# KiCad board plinkyblack_hwmidi.kicad_pcb (continued)
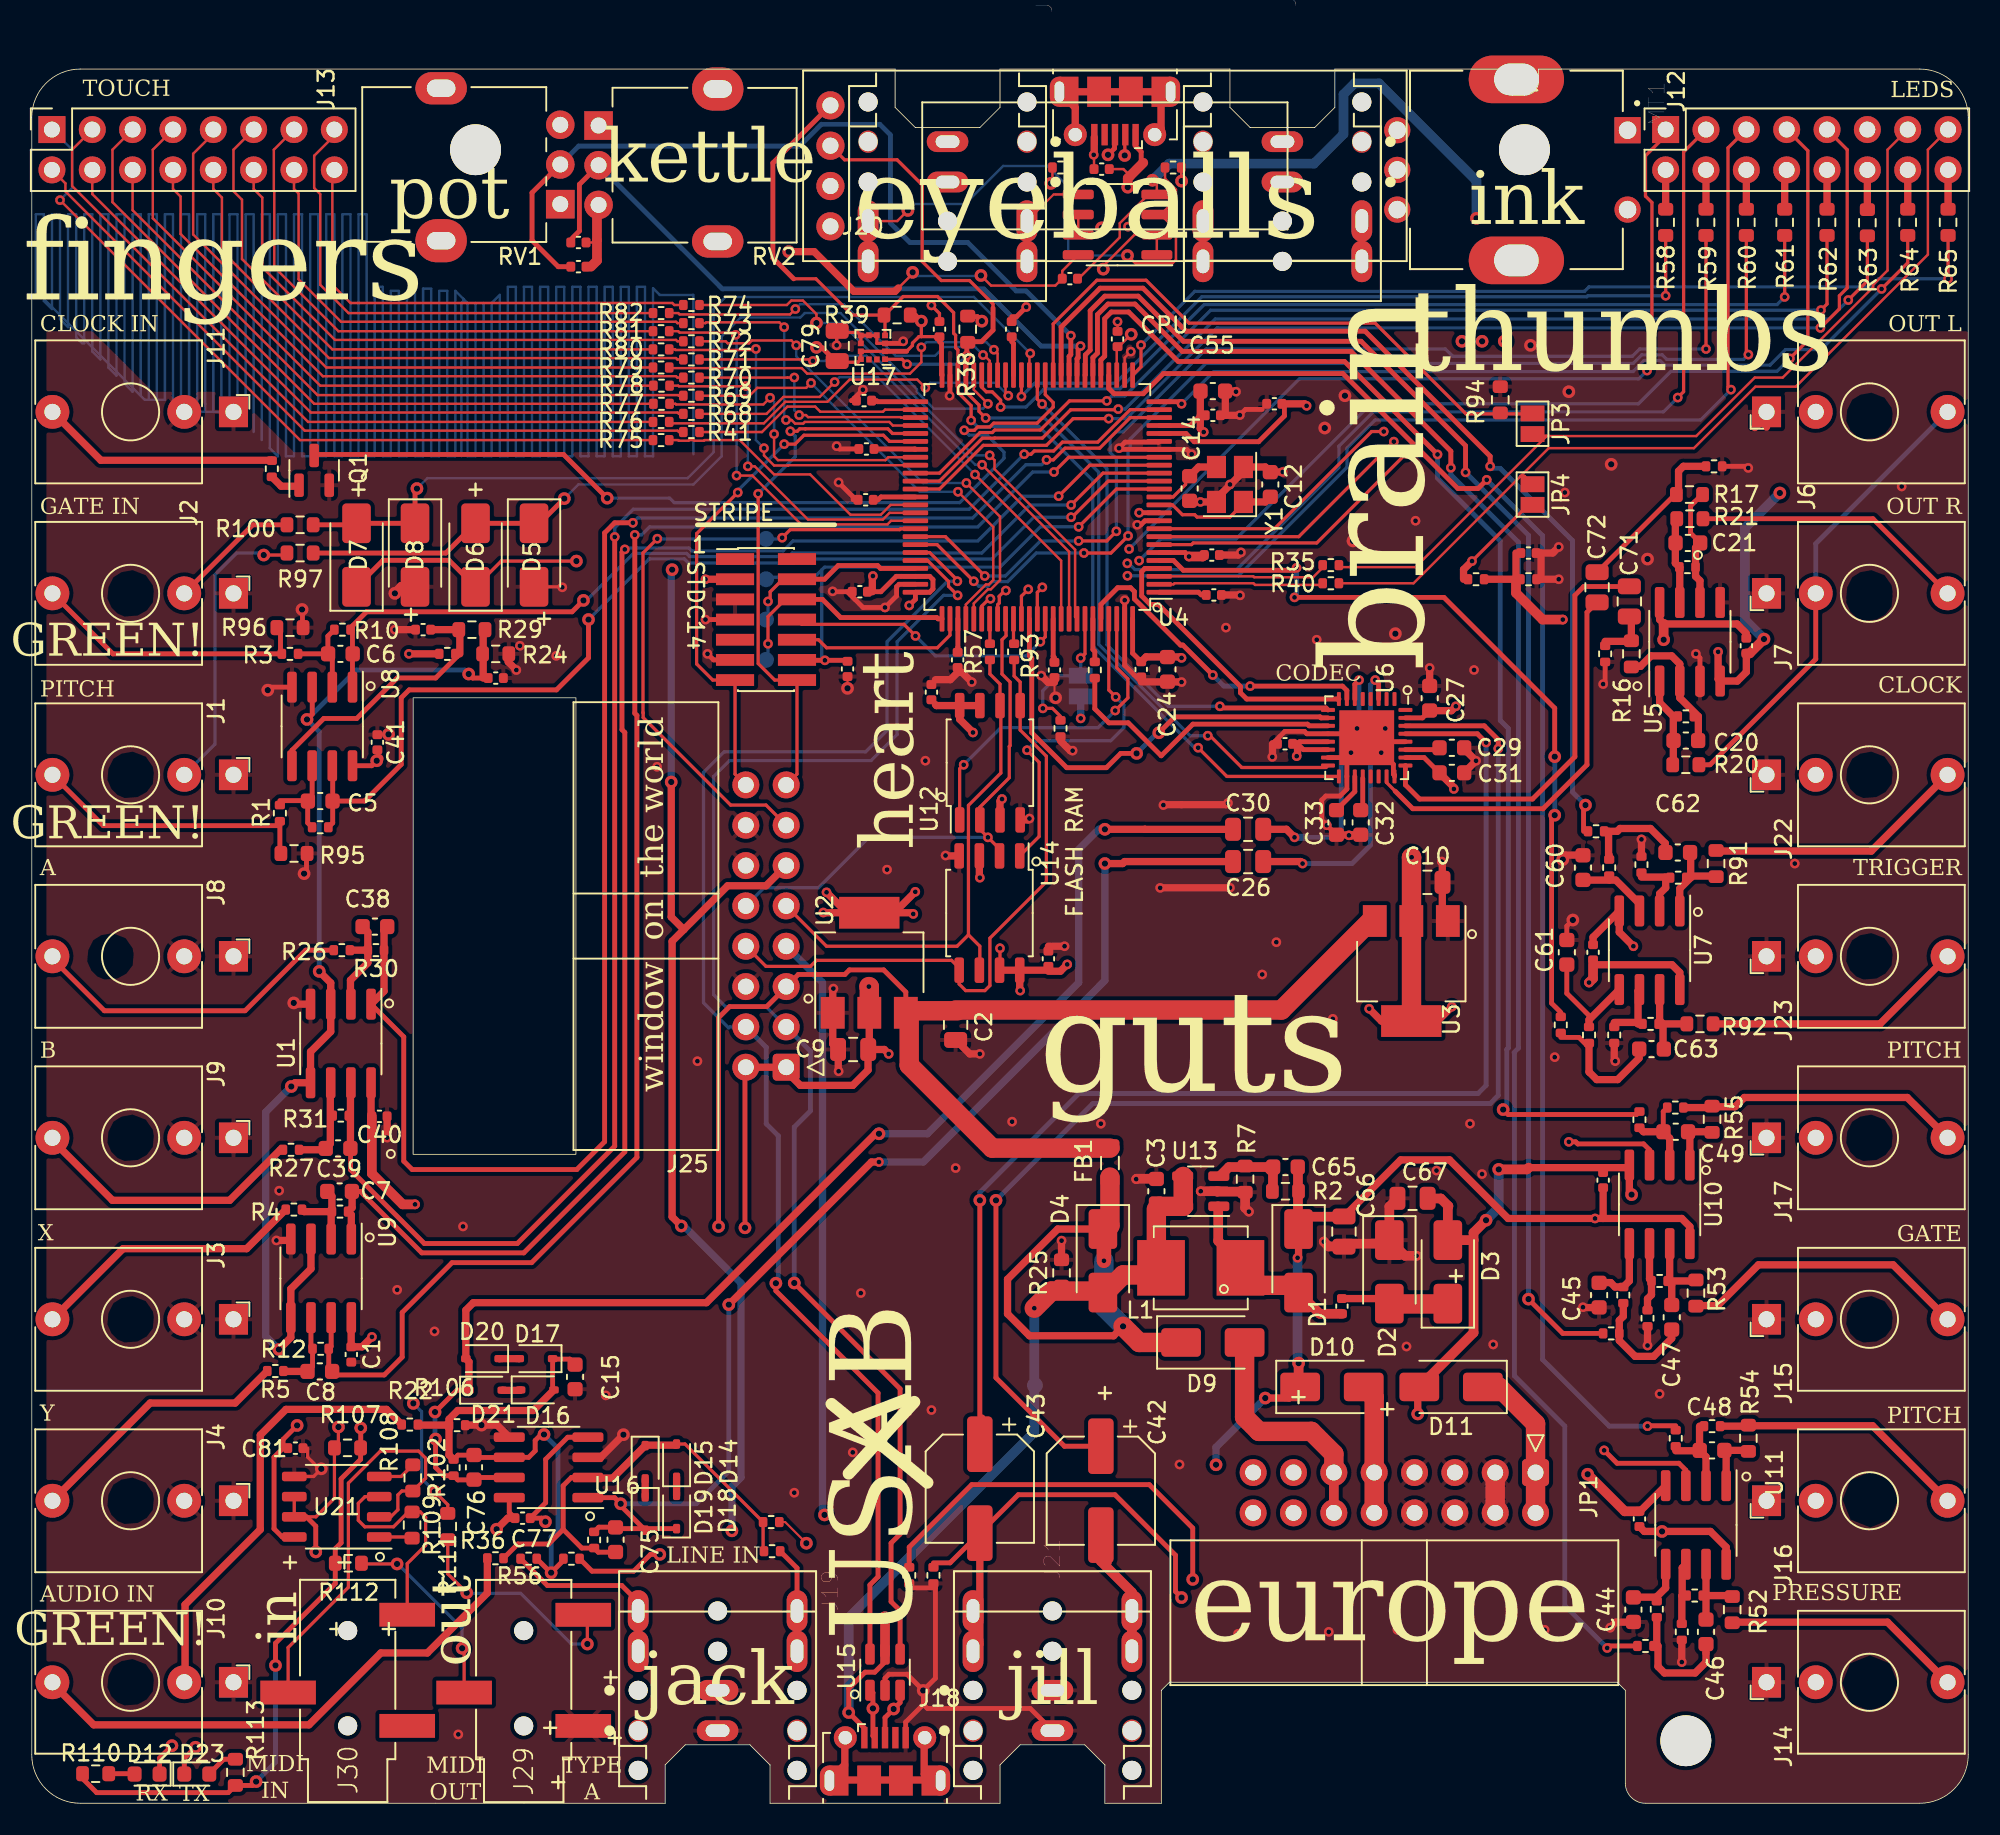
[diagram p0: board, top side]
## Routing (per net, layer and track width the routed paths; a pad name or vN(x,y) marks a point on that pad's centre or on a via; arc(x,y) is an arc through that point) (continued)
  Bottom w0.152: v1(61.48,88.65) 60.67,89.46 56.57,89.46 v1(56.26,89.15)
T11: length 19.4
  Top w0.152: 40.13,88.14 40.53,88.14 40.57,88.1 46.06,88.1 v1(46.48,88.52) ; v1(46.74,86.23) 46.74,84.84 46.98,84.59 53.74,84.59 53.93,84.77 U4.58
  Bottom w0.152: v1(46.74,86.23) 46.74,88.27 v1(46.48,88.52)
T12: length 22.1
  Top w0.152: v1(45.09,84.2) 45.52,84.2 48.87,80.85 53.58,80.85 54.01,81.27 U4.65 ; v1(44.96,89.26) 44.94,89.24 40.74,89.24 40.7,89.28 40.13,89.28
  Bottom w0.152: v1(45.09,84.2) 45.09,89.13 v1(44.96,89.26)
T13: length 23.9
  Top w0.152: v1(56.01,91.69) 56.01,90.75 55.29,90.04 48.82,90.04 48.47,90.38 40.15,90.38 40.11,90.42 ; v1(60.58,91.54) 60.81,91.31 U4.43
  Bottom w0.152: v1(60.58,91.54) 60.1,92.02 56.33,92.02 v1(56.01,91.69)
T14: length 22.2
  Top w0.152: U4.59 47.65,84.27 47.63,84.25 46.73,84.25 46.1,84.89 v1(46.1,85.34) ; 40.11,91.57 40.5,91.57 40.54,91.53 45.53,91.53 v1(45.59,91.59)
  Bottom w0.152: v1(45.59,91.59) 45.59,85.85 v1(46.1,85.34)
T15: length 25.8
  Top w0.152: 40.11,92.71 40.7,92.71 40.79,92.62 44.18,92.62 v1(44.32,92.48) ; v1(44.37,83.62) 45.37,83.62 48.44,80.54 53.87,80.54 54.1,80.77 U4.66
  Bottom w0.152: v1(44.32,92.48) 44.37,92.43 v1(44.37,83.62)
T16: length 23.3
  Top w0.152: 40.11,93.85 40.7,93.85 40.79,93.77 47.74,93.77 v1(48.08,94.11) ; U4.44 60.31,90.85 59.95,91.21 v1(59.89,91.21)
  Bottom w0.152: v1(48.08,94.11) 48.38,94.41 51.13,94.41 54.38,91.16 56.87,91.16 57.42,91.71 59.39,91.71 v1(59.89,91.21)
TS1: length 10.5
  Top w0.152: U4.2 71.88,76.77 71.95,76.84 76.91,76.84 77.02,76.73 81.43,76.73
TS1_: length 55.1
  Top w0.152: 82.27,76.84 87,76.84 95.5,85.34 104.65,85.34 108.52,89.22 111.06,89.22 119.38,97.54 119.38,104.14 J12.15
  Top w0.203: 94.49,83.06 93.98,83.57 93.73,83.57
TS2: length 10.6
  Top w0.152: 81.3,77.85 80.67,77.22 76.96,77.22 76.91,77.27 U4.3
TS2_: length 52.7
  Top w0.152: J12.13 116.84,104.14 116.84,96.54 115.93,95.63 115.93,95.48 110.24,89.79 108.48,89.79 104.79,86.11 95.38,86.11 87.12,77.85 82.27,77.85
  Top w0.203: 95.38,86.11 94.62,86.11 JP3.2
TX: length 120
  Top w0.203: v1(45.74,82.47) 45.74,71.78 46.77,70.74 J5.14 48.18,64.81 J25.15 ; R111.2 26.19,18.81 v2(25.37,19.62) ; U4.55 54.19,86.27 53.9,86.56 48.71,86.56 48.35,86.56 48.19,86.41 v1(47.76,86.41)
  Top w0.305: v2(10.31,3.53) 9.6,2.82 D23.1
  In1.Cu w0.203: J25.15 46.31,62.95 43.12,62.95 39.6,59.44 39.6,40.76 v2(24.02,25.18)
  In1.Cu w0.305: v2(25.37,19.62) 25.37,14.97 25.37,14.96 25.37,12.11 16.86,3.6 10.38,3.6 v2(10.31,3.53)
  Bottom w0.203: v1(47.76,86.41) 48.06,86.1 48.06,84.8 v1(45.74,82.47) ; v2(24.02,25.18) 24.54,24.66 24.54,20.45 v2(25.37,19.62)
VREF: length 131.3
  Top w0.203: 94.74,81.52 93.97,81.52 v1(90.68,78.23)
  Top w0.305: 79.02,88.14 78.87,87.99 78.87,87.38 77.24,85.75 73.18,85.75 72.66,86.27 U4.21
  Top w0.457: v1(90.68,78.23) 90.14,77.7 90.14,77.09 ; v1(80.26,88.01) 80.14,88.14 79.02,88.14 ; v1(23.75,72.39) 25.37,72.39
  In1.Cu w0.457: v1(69.02,99.3) 69.02,99.25 v1(80.26,88.01)
  In2.Cu w0.457: v1(69.02,99.3) 64.94,103.38 56.01,103.38 53.66,105.73 52.25,105.73 52.19,105.66 RV2.1
  In2.Cu w0.61: v1(80.26,88.01) 81.41,88.01 90.68,78.74 v1(90.68,78.23) ; v1(23.75,72.39) 29.46,78.11 29.46,96.9 RV1.1 31.37,102.62 31.37,106.68 32.51,107.82 34.42,107.82 35.69,106.55 RV2.1
VREF1: length 68.5
  Top w0.305: U8.3 17.66,70.29 17.66,68.59 v2(17.33,68.26) ; 28.42,70.87 27.76,70.87 v2(27.51,71.12)
  Top w0.457: v2(16.34,45.14) 16.58,45.38 U1.5 17.55,47.33 18.82,48.6 U1.3 18.82,51.67 v2(18.1,52.39) ; 28.42,70.87 28.42,73.84 28.5,73.91 ; U9.3 17.58,33.66 16.31,32.39 U9.5 16.31,29.33 v2(15.56,28.58)
  Bottom w0.305: v2(27.51,71.12) 27.26,71.37 20.44,71.37 v2(17.33,68.26) 18.1,67.49 v2(18.1,52.39)
  Bottom w0.457: v2(16.34,45.14) 14.73,43.53 14.73,29.41 v2(15.56,28.58)
VREF125: length 17.1
  Top w0.305: 16.38,65.34 16.38,66.32 18.38,68.32 20.46,68.32 23.01,70.87 25.43,70.87 26.95,72.39
  Top w0.457: 25.43,73.91 26.92,73.91 26.95,73.89 26.95,72.39
VREF_125_OUT: length 75.1
  Top w0.305: U10.3 101.85,41.15 101.48,41.52 97.34,41.52 97.21,41.66 v1(96.77,41.66) ; v1(99,22.23) 99.81,21.41 103.7,21.41 104.14,20.98 U11.3
  Top w0.457: 93.45,78.74 93.45,77.09 91.72,77.09
  Top w0.61: v1(96.39,74.55) 95.12,74.55 93.45,76.23 93.45,77.09
  In2.Cu w0.457: v1(99,22.23) 96.77,24.45 v1(96.77,41.66)
  In2.Cu w0.61: v1(96.39,74.55) 96.77,74.17 96.77,60.45 97.25,59.98 97.25,57.12 96.17,56.04 96.17,51.91 96.77,51.31 v1(96.77,41.66)
Net-(C20-Pad1): length 5.6
  Top w0.457: 103.35,65.41 103.35,68.45 102.49,69.32 U5.1
Net-(C21-Pad1): length 5.4
  Top w0.457: 103.61,80.9 103.48,80.77 103.48,78.1 103.76,77.82 U5.7
Net-(C42-Pad2): length 198.7
  Top w0.305: 55.24,15.14 55.24,16.13 59.18,20.07 70.36,20.07 73.09,17.33 v2(73.09,14.1) ; 67.63,14.92 67.84,15.14 ; J21.2 J21.2
  Top w0.61: C42.2 67.31,15.24 69.26,13.29 J21.2
  In2.Cu w0.305: J27.2 73.74,98.99 78.22,94.51 95.87,94.51 110.96,79.42 113.05,79.42 116.46,76.01 116.46,17.53 113.03,14.1 v2(73.09,14.1) 72.11,14.1 69.26,11.25 J21.2
Net-(C43-Pad2): length 182.6
  Top w0.305: v2(72.39,12.95) 72.01,13.34 72.01,15.62 68.2,19.43 62.11,19.43 C43.2 57.82,15.14 56.77,15.14 ; J21.3 J21.3
  Top w0.457: J21.3 59.69,10 C43.2
  In1.Cu w0.61: J27.3 J27.3
  In2.Cu w0.305: v2(72.39,12.95) 113.03,12.95 117.09,17.02 117.09,76 113.18,79.92 111.11,79.92 95.91,95.12 88.27,95.12 J27.3
Net-(C46-Pad1): length 7.4
  Top w0.457: 102.31,11.43 102.31,9.98 102.39,9.91 102.39,8.61 102.79,8.2 104.72,8.2 105.41,8.89 105.41,10.01
Net-(C46-Pad2): length 5.1
  Top w0.457: 105.49,13.08 105.41,13 105.41,11.58 ; 105.49,13.08 106.96,13.08 107.06,12.98 ; 105.49,13.08 105.41,13.16 U11.7
Net-(C47-Pad1): length 7.2
  Top w0.457: R46.2 100.2,30.66 99.95,30.41 R43.1 99.95,29.14 100.95,28.14 102.11,28.14 103.25,29.28 103.25,29.82
Net-(C47-Pad2): length 5.8
  Top w0.457: 103.25,31.39 103.25,32.64 R47.2 ; R47.2 104.75,32.89 ; R47.2 103.12,33.02 U10.7
Net-(C48-Pad1): length 3.8
  Top w0.457: 108.08,22.2 108.05,22.23 106.58,22.23 106.68,22.12 U11.1
Net-(C49-Pad1): length 3.6
  Top w0.457: U10.1 104.39,42.19 104.29,42.29 105.79,42.29
Net-(C62-Pad1): length 6.1
  Top w0.457: 102.84,59.88 102.84,60.46 101.91,61.39 100,61.39 99.82,61.21 99.28,61.21 99.28,59.75 99.31,59.72
Net-(C62-Pad2): length 5.6
  Top w0.457: 106.05,58.39 104.55,58.39 104.45,58.29 ; 104.45,58.29 104.45,59.85 104.42,59.88 ; 104.45,58.29 103.76,57.61 U7.1
Net-(C63-Pad1): length 8.1
  Top w0.305: 98.04,47.6 97.41,48.23 96.27,48.23
  Top w0.457: 98.04,47.6 98.04,46.06 98.53,45.58 99.85,45.58 101.19,46.92 101.19,47.5
Net-(C63-Pad2): length 5.4
  Top w0.457: 102.77,47.5 102.71,47.56 102.71,49.09 ; 102.71,49.09 104.24,49.09 ; 102.71,49.09 102.49,49.3 U7.7
Net-(C71-Pad1): length 3.3
  Top w0.457: 99.06,73.18 100.71,73.18 100.71,74.63 100.58,74.75
Net-(C72-Pad1): length 10.2
  Top w0.305: 98.55,77.52 103.46,82.42 103.58,82.42
  Top w0.457: 103.58,82.42 103.68,82.52 103.68,83.9 103.98,84.2 105.13,84.2
Net-(D1-A): length 11.8
  Top w0.61: 74.7,37.59 74.7,35.41 76.14,33.97 ; D1.2 81.09,30.83 C4.2
  Top w1.219: L1.2 77.2,32.62 79.3,32.62 D1.2
Net-(D2-A): length 7.2
  Top w0.305: 85.18,31.75 D2.2
  Top w0.457: C4.1 85.15,31.79 D2.2
  Top w1.219: 85.49,31.45 89.2,31.45
Net-(D4-K): length 31.7
  Top w0.457: D4.1 64.59,36.16 61.43,33 61.43,30.82 62.81,29.44 68.11,29.44 v2(68.71,30.04)
  Top w0.914: v1(67.5,34.16) 67.5,36.01
  Top w1.219: v2(68.71,30.04) 69.72,29.02 D9.1 ; 67.5,36.01 67.88,36.39 67.88,39.43
  Bottom w1.219: v1(67.5,34.16) 67.5,31.24 v2(68.71,30.04)
Net-(D9-A): length 15
  Top w0.61: JP1.12 JP1.11
  Top w1.219: JP1.11 81.98,22 80.56,23.42 77.26,23.42 76.36,24.32 D9.2
Net-(D10-A): length 8.2
  Top w1.219: JP1.10 84.52,25.56 D10.2
Net-(D11-K): length 9.9
  Top w1.219: D11.1 92.36,26.22 94.68,23.9 JP1.1 JP1.2
Net-(D12-A): length 1.6
  Top w0.305: R110.1 6.45,1.86 D12.2
Net-(D14-A): length 28.7
  Top w0.203: D14.2 41.13,22.62 R6.1 46.04,15.93 R37.1
  Top w0.305: 33.46,17.24 34.63,16.07 R101.2 35.67,15.81 36.75,15.81 ; 33.46,17.24 32.54,16.33 30.6,16.33 R36.1 ; 33.46,17.24 33.46,20 33.97,20.52 U16.2
  Top w0.457: D14.2 40.53,22.55 38.65,22.55 D15.1 36.58,20.48 35.05,20.48 U16.2
Net-(D14-K): length 1.1
  Top w0.457: D14.1 D18.2
Net-(D15-A): length 1.1
  Top w0.457: D15.2 D19.1
Net-(D16-A): length 34.1
  Top w0.305: R23.1 33.47,15.29 v2(32.7,14.52) 32.67,14.52 R56.1 ; D16.2 32.79,26.11 D17.1 32.82,27.97 33.87,27.97 34.21,27.64 ; R102.2 26.83,21.93 27.82,21.93 27.84,21.95 28.01,21.78 30.06,21.78 U16.6 31.29,21.79 31.69,22.19 31.69,22.85 32.07,23.22 v2(32.25,23.22)
  Top w0.457: R102.2 26.56,21.65 26.27,21.94 R106.2 ; R22.1 24.35,23.81 26.28,23.81 26.28,24.19 26.82,24.74 31.58,24.74 D16.2
  Bottom w0.305: v2(32.25,23.22) 33.13,22.34 33.13,17.21 32.7,16.78 v2(32.7,14.52)
Net-(D16-K): length 1.2
  Top w0.457: D16.1 30.75,26 29.64,26 D20.2
Net-(D17-A): length 1.3
  Top w0.457: D21.1 D17.2
Net-(D18-K): length 75.7
  Top w0.305: D18.1 36.85,17.3 36.75,17.39 35.7,17.39 R101.1 ; D19.2 37.08,18.74 v2(37.08,18.86) 36.7,19.25 U16.1
  Top w0.457: v2(43.88,31.4) 52.87,40.39 v1(53.34,40.39) ; 75.64,59.31 68.81,59.31 68.68,59.18 v2(67.56,59.18)
  Bottom w0.305: v2(37.08,18.86) 41.84,18.86 43.88,20.91 v2(43.88,31.4)
  Bottom w0.457: v1(53.34,40.39) 56.13,40.39 67.56,51.82 v2(67.56,59.18)
Net-(D20-K): length 82.1
  Top w0.305: v2(25.39,24.64) 26.77,26.02 D20.1 ; v2(25.42,22.94) 25.42,21.15 25.94,20.63 R102.1 26.82,20.36 27.84,20.36 27.99,20.52 U16.7
  Top w0.457: D20.1 27.53,27.8 D21.2 27.33,31.05 27.8,31.53 42.48,31.53 53.11,42.16 v2(53.34,42.16) ; 75.57,61.34 75.56,61.33 70.08,61.33 70.08,61.34 v2(67.56,61.34)
  Bottom w0.305: v2(25.39,24.64) 25.39,22.97 v2(25.42,22.94)
  Bottom w0.457: v2(67.56,61.34) 67.18,61.34 65.91,60.07 65.91,51.69 56.39,42.16 v2(53.34,42.16)
Net-(D23-A): length 2
  Top w0.305: R113.1 12.09,2.77 11.18,1.86 D23.2
Net-(J1-PadT): length 17.4
  Top w0.305: 15.72,59.82 15.62,59.92 15.62,61.57 4.5,61.57 J1.T
Net-(J1-PadTN): length 18.6
  Top w0.203: 16.1,78.74 15.98,78.61 v2(14.6,78.61)
  Bottom w0.203: J1.TN 11.53,66.7 11.53,77.37 12.9,78.74 14.48,78.74 v2(14.6,78.61)
Net-(J2-PadT): length 17.7
  Top w0.305: J2.T 5.11,72.39 15.66,72.39 15.66,73.85 15.47,74.04
Net-(J2-PadTN): length 8.3
  Top w0.305: J2.TN 13.92,80.52 16.1,80.52
Net-(J3-PadT): length 17.6
  Top w0.457: R4.2 13.53,34.93 5.75,34.93 J3.T
Net-(J4-PadT): length 16.9
  Top w0.457: J4.T 7.46,25.21 12.81,25.21 R5.2
Net-(J6-PadT): length 29.2
  Top w0.305: 104.93,65.41 105.66,65.41 112.32,72.06 J7.TN
  Bottom w0.305: J7.TN 112.32,79.33 J6.T
Net-(J7-PadT): length 17.4
  Top w0.305: 105.18,80.9 115.92,80.9 J7.T
Net-(J8-PadT): length 20.8
  Top w0.305: R26.2 17.25,53.73 13.43,49.91 4.57,49.91 1.3,53.18 J8.T
Net-(J9-PadT): length 17.6
  Top w0.457: R27.2 15.64,41.16 12.46,37.97 5.08,37.97 1.3,41.75 J9.T
Net-(J10-PadT): length 34.2
  Top w0.457: R36.2 28.68,13.24 24.91,9.47 21.98,9.47 17.45,4.94 3.9,4.94 1.3,7.54 J10.T
Net-(J10-PadTN): length 27.5
  Top w0.457: 9.65,7.62 9.65,12.51 14.39,17.24 14.39,23.19 16.01,24.81 22.33,24.81 R22.2
Net-(J11-PadT): length 15.1
  Top w0.457: J11.T 4.35,84.58 15.09,84.58 R8.2
Net-(J12-Pin_2): length 2.5
  Top w0.457: 102.87,100.36 J12.2
Net-(J12-Pin_4): length 2.5
  Top w0.457: 105.41,100.36 J12.4
Net-(J12-Pin_6): length 2.5
  Top w0.457: 107.95,100.36 J12.6
Net-(J12-Pin_8): length 2.6
  Top w0.457: J12.8 110.36,102.74 110.36,100.36
Net-(J12-Pin_10): length 2.5
  Top w0.457: 113.03,100.36 J12.10
Net-(J12-Pin_12): length 2.5
  Top w0.457: 115.57,100.33 J12.12
Net-(J12-Pin_14): length 2.5
  Top w0.457: 118.11,100.36 J12.14
Net-(J12-Pin_16): length 2.5
  Top w0.457: 120.65,100.36 J12.16
Net-(J13-Pin_1): length 48.9
  Top w0.152: 39.14,85.85 16.89,85.85 v1(1.78,100.97)
  Bottom w0.152: v1(1.78,100.97) 2.54,101.73 2.54,104.14 J13.1
Net-(J13-Pin_2): length 46.9
  Top w0.152: J13.2 2.12,102.02 2.12,101.51 17.19,86.45 40.66,86.45 40.75,86.36 41.04,86.36
Net-(J13-Pin_3): length 46.8
  Top w0.152: 39.14,87 17.4,87 2.54,101.85 2.54,104.14 J13.3
Net-(J13-Pin_4): length 44.5
  Top w0.152: J13.4 3.81,101.35 17.57,87.59 40.66,87.59 40.75,87.5 41.04,87.5
Net-(J13-Pin_5): length 44.4
  Top w0.152: 39.16,88.14 17.78,88.14 5.08,100.84 5.08,104.14 J13.5
Net-(J13-Pin_6): length 42.1
  Top w0.152: 41.04,88.65 40.75,88.65 40.71,88.69 17.99,88.69 6.35,100.33 J13.6
Net-(J13-Pin_7): length 42
  Top w0.152: J13.7 7.62,104.14 7.62,99.82 18.16,89.28 39.16,89.28
Net-(J13-Pin_8): length 39.7
  Top w0.152: J13.8 8.89,101.67 9.37,101.19 9.37,98.84 18.33,89.88 40.56,89.88 40.65,89.79 41.04,89.79
Net-(J13-Pin_9): length 39.6
  Top w0.152: J13.9 11.43,105.16 10.16,103.89 10.16,98.81 18.54,90.42 39.14,90.42
Net-(J13-Pin_10): length 37.2
  Top w0.152: J13.10 11.43,101.67 11.97,101.13 11.97,97.76 18.71,91.02 40.56,91.02 40.65,90.93 41.04,90.93
Net-(J13-Pin_11): length 37.2
  Top w0.152: 39.14,91.57 18.92,91.57 13.24,97.25 13.24,100.99 12.7,101.53 12.7,104.14 J13.11
Net-(J13-Pin_12): length 34.8
  Top w0.152: J13.12 13.97,101.67 14.51,101.13 14.51,96.74 19.09,92.16 40.56,92.16 40.65,92.08 41.04,92.08
Net-(J13-Pin_13): length 34.7
  Top w0.152: 39.14,92.71 19.3,92.71 15.27,96.75 15.27,101.5 15.24,101.53 15.24,104.14 J13.13
Net-(J13-Pin_14): length 32.4
  Top w0.152: J13.14 16.51,101.67 16.8,101.38 16.8,95.98 19.47,93.3 40.56,93.3 40.65,93.22 41.04,93.22
Net-(J13-Pin_15): length 32.2
  Top w0.152: 39.14,93.85 19.94,93.85 18.16,95.63 18.16,101.35 17.78,101.73 17.78,103.76 19.05,105.03 J13.15
Net-(J13-Pin_16): length 29.9
  Top w0.152: 41.04,94.36 40.45,94.36 40.33,94.49 20.07,94.49 18.92,95.63 18.92,102.74 J13.16
Net-(J14-PadT): length 15.1
  Top w0.457: J14.T 116.84,11.4 107.06,11.4
Net-(J15-PadT): length 18.3
  Top w0.457: J15.T 117.19,33.91 108.71,33.91 106.15,31.34 104.78,31.34
Net-(J16-PadT): length 16
  Top w0.457: J16.T 115.9,23.77 108.08,23.77 108.05,23.75 106.58,23.75
Net-(J17-PadT): length 17.9
  Top w0.457: J17.T 118.08,44.45 107.82,44.45 107.24,43.87 105.79,43.87 105.74,43.81 R51.1
Net-(J19-Pad2): length 6.7
  Top w0.305: J19.2 J19.2 48.18,14.81 47.12,15.88
Net-(J19-Pad3): length 10.7
  Top w0.305: J19.3 38.18,12.68 37.15,13.71 32.46,13.71 R56.2
  In2.Cu w0.305: 38.18,11.18 J19.3
Net-(J22-PadT): length 16.6
  Top w0.457: J22.T 115.82,59.97 106.05,59.97
Net-(J23-PadT): length 16.6
  Top w0.457: J23.T 116.37,49.09 105.82,49.09
Net-(J30-RING): length 26.4
  Top w0.203: U21.2 22.6,18.04 23.05,18.48 23.05,19.41 23.3,19.66 R108.1 24.8,20.47 24.8,21.73 24.35,22.18 21.95,22.18 19.93,20.16 19.93,13.6 16.14,9.81 J30.3
Net-(J30-TIP): length 14.1
  Top w0.203: U21.3 20.98,19.31 20.56,18.89 20.56,17.82 20.97,17.41 22.77,17.41 23.71,18.35 R109.1 24.46,18.35 24.8,18.01 24.8,16.25 23.64,15.09 J30.2
Net-(JP2-B): length 9.2
  Top w0.203: 64.77,68.45 64.27,68.96 v1(63.66,68.96) ; v1(66.04,72.12) 66.31,72.39 U4.94
  Bottom w0.203: v1(63.66,68.96) 63.66,70.07 64.59,71.01 JP2.2 66.04,72.39
Net-(JP3-A): length 38.2
  Top w0.203: U4.36 64.31,93.17 67.06,95.92 70.16,95.92 72.86,93.22 84.58,93.22 90.3,87.5 94.62,87.5
Net-(Q1-B): length 2
  Top w0.457: 16.83,82.95 15.7,82.95 R8.1
Net-(U1A--): length 6.6
  Top w0.457: R30.2 20.03,53.73 R26.1 ; 20.82,55.21 21.16,54.87 21.16,52.93 20.07,51.84 20.07,50.35 U1.2
Net-(U1B--): length 6
  Top w0.457: R27.1 18.41,41.16 18.8,41.54 18.8,45.35 U1.6
Net-(U4-PB4): length 2.9
  Top w0.305: C56.2 64.31,71.93 64.31,72.24 ; 64.31,72.24 U4.90 ; 64.31,72.24 64.39,72.16
Net-(U4-PB8): length 2.8
  Top w0.305: U4.95 66.81,72.66 66.93,72.54 R34.1
Net-(U4-PB12): length 2.5
  Top w0.305: U4.51 53.26,88.27 53.19,88.34
Net-(U4-PC6): length 2.4
  Top w0.305: U4.63 53.47,82.27 53.29,82.09
Net-(U4-PC10): length 1.8
  Top w0.305: 58.29,72.8 58.31,72.81 U4.78
Net-(U4-PD1): length 1.5
  Top w0.203: 60.32,73 60.32,74.55
Net-(U4-PD4): length 1.7
  Top w0.203: U4.85 61.81,72.94
Net-(U4-PD10): length 2.3
  Top w0.305: U4.57 55.61,85.29 53.34,85.29
Net-(U4-PE2): length 2.7
  Top w0.305: U4.1 73.46,76.27 73.63,76.1
Net-(U4-PE10): length 2.2
  Top w0.305: U4.41 61.81,91.94 61.7,92.05
Net-(U4-PH0): length 7.9
  Top w0.203: U4.12 71.82,81.77 72.44,81.15 73.22,81.15 73.37,81 75.43,81 76.29,81.86 Y1.1
  Top w0.457: 77.98,82.27 77.67,81.96 Y1.1
Net-(U4-PH1): length 4.5
  Top w0.203: 72.9,83.59 72.64,83.34 72.64,83.06 71.86,82.27 U4.13
  Top w0.457: Y1.3 73.46,84.16 72.9,83.59
Net-(U5A--): length 8.8
  Top w0.457: 104.93,66.93 104.93,68.45 103.76,69.62 U5.2 103.76,71.75 103.25,72.26 101.95,72.26 101.29,71.6 100.71,71.6
Net-(U5B--): length 7.6
  Top w0.305: 105.16,82.42 104.44,81.71 104.44,79.99 105.05,79.38
  Top w0.457: U5.6 105.03,77 104.75,77.27 104.75,79.07 105.05,79.38
Net-(U6-HP_COM): length 2.6
  Top w0.305: 82.14,62.56 83.3,63.72 U6.19
Net-(U6-LINE_COM): length 2
  Top w0.305: 83.8,64.54 83.8,62.69 83.67,62.56
Net-(U6-VMID): length 2.2
  Top w0.305: U6.27 88.51,66.36 88.62,66.47
Net-(U7A-+): length 4.6
  Top w0.457: 101.22,56.2 101.22,56.65 99.73,58.14 97.66,58.14
Net-(U7A--): length 3.8
  Top w0.457: U7.2 102.49,57.28 102.87,57.66 102.87,58.29 102.83,58.33 101.35,58.33
Net-(U7B-+): length 7.1
  Top w0.305: 98.04,49.17 98.04,49.61 96.65,51.01 96.65,52.81
  Top w0.457: U7.5 98.04,49.34 98.04,49.17
Net-(U7B--): length 3.7
  Top w0.457: 99.63,49.17 101.04,49.17 101.13,49.09 101.13,51.16 101.22,51.25
Net-(U8A--): length 5.5
  Top w0.305: 17.04,72.39 18.64,72.39 ; 18.64,72.39 18.64,73.51 R10.2 ; 18.64,72.39 18.92,72.11 U8.2
Net-(U8B--): length 5.9
  Top w0.305: 15.62,63.14 17.35,63.14 17.37,63.12 ; 17.37,63.12 17.65,63.4 U8.6 ; 17.37,63.12 17.37,61.75 R9.2
Net-(U9A--): length 5.1
  Top w0.457: U9.2 18.85,37.21 R11.2 ; R11.2 18.9,38.23 18.59,38.53 ; R11.2 17.14,37.26 R4.1
Net-(U9B--): length 5.1
  Top w0.305: U9.6 17.58,28.72 R12.2 17.68,27.53 17.35,27.2
  Top w0.457: 17.35,27.2 15.87,27.2 R5.1
Net-(U10A--): length 5.5
  Top w0.305: 102.72,42.29 102.72,43.56 R51.2
  Top w0.457: R49.1 101.47,42.29 102.72,42.29 103.12,41.88 U10.2
Net-(U10B-+): length 4.5
  Top w0.457: U10.5 100.58,32.9 R46.1 99.68,32.51 99.41,32.79 98.68,32.79
Net-(U10B--): length 4.3
  Top w0.457: R67.2 101.73,31.77 101.98,32.02 R47.1 101.85,33.02 U10.6
Net-(U11A--): length 5.4
  Top w0.457: 105,23.75 105,22.23 ; 105,22.23 105.41,21.82 U11.2 ; 105,22.23 104.98,22.2 103.51,22.2
Net-(U11B-+): length 3.8
  Top w0.457: 100.84,12.98 102.29,12.98 102.87,13.56 U11.5
Net-(U11B--): length 3.6
  Top w0.457: U11.6 103.91,14.82 103.91,13.08 103.89,13.06 103.89,11.58
Net-(U13-FB): length 4.8
  Top w0.61: 74.87,39.56 75.38,40.07 77.79,40.07 78.14,39.71 78.14,38.55
Net-(U18A-+): length 33
  Top w0.152: v2(68.99,97.48) 69.48,96.99 71.82,96.99 72.04,97.21 72.04,99.09 71.08,100.06 ; 70.84,100.06 71.08,100.06 ; 71.08,100.06 72.04,101.02 72.04,101.63 71.35,102.32 R103.1 ; v2(55.16,100.32) 54.49,99.65 J26.2
  Bottom w0.152: v2(55.16,100.32) 55.56,100.72 58.76,100.72 61.16,103.12 63.95,103.12 65.26,101.81 65.26,97.72 65.5,97.48 v2(68.99,97.48)
Net-(U18B-+): length 5.9
  Top w0.13: 64.46,101.33 64.34,101.33 J26.3
  Top w0.152: R104.1 65.28,101.93 U18.5 64.46,101.33
Net-(U21-ANODE_1): length 2.1
  Top w0.203: U21.1 23.87,16.77 R109.2
Net-(U21-ANODE_2): length 2.4
  Top w0.203: U21.4 23.26,20.58 R108.2
unconnected-(J18-Shield-Pad6): length 12.3
  Top w0.457: 56.19,4.13 56.19,1.83 56.59,1.43 ; 51.19,4.13 51.19,2.43 50.19,1.43 50.22,1.46 56.12,1.46 56.39,1.73
unconnected-(J24-Shield-Pad6): length 11.8
  Top w0.457: 65.3,107.79 J24.6 71.1,105.49 J24.6 ; J24.6 65.7,106.79 J24.6

## Copper pours and planes (outline as drawn; the poured copper is in the pictures)
+3V3 on In2.Cu: 35.69,100.46 80.96,100.33 80.84,60.96 65.15,60.96 65.15,44.7 53.85,44.7 35.56,44.96
GND on Top: 0.92,92.71 125.38,92.71 125.38,-17.78 0.92,-17.78
GND on Bottom: -1.27,110.49 123.19,110.49 123.19,0 -1.27,0
GND on In1.Cu: -1.27,110.49 123.19,110.49 123.19,0 -1.27,0

## Text on the board
B.Silkscreen: thanks to / @lpzw_modules / @thonk_synth / @rocket_not / @scolar / @ebrombaugh / @mksoundmachines / @mylarmelodies / @jjbbllkk / @hainbach101 / @divkid / @cheevil / @mediamolecule / & isla & ziggy / - @mmalex, january 2021 | CIPO | COPI | GND | RX | DM | RED STRIPE | LINE IN | 3v3 | SCL | SDA | DP | TX | 5v | DBG | CLK | -12v | +12v | USB | BOOT0 (FLASH) | PHONES | EURORACK POWER | don't plug power here. / it's an expansion port. | +5v | Open Source Hardware: CERN-OHL-P v2 / License: https://ohwr.org/cern_ohl_p_v2.txt / https://github.com/plinkysynth/plinky_public | plinkysynth.com
User.Eco1: +
F.Silkscreen: + | 1 | STRIPE | CPU | FLASH RAM | STDC14 | X | CLOCK IN | GATE IN | PITCH | A | B | Y | AUDIO IN | LEDS | TOUCH | RX | TX | MIDI / IN | MIDI / OUT | TYPE / A | LINE IN | CODEC | PRESSURE | OUT L | OUT R | CLOCK | TRIGGER | GATE | window  on  the world | GREEN! | in | out | pot | kettle | jack | jill | ink | heart | fingers | eyeballs | europe | thumbs | USAB | guts | brain
